# Allegro board 038RT-9068CJK8E-A100_0921.brd (continued)
## Footprints (pads in the part's own frame, mm; a bottom-side part is the same pattern mirrored in y, then rotated) (continued)
PG_3680_EMPTY_SLOT16
  round 0.864 hole 0.356: A1(-36.049,-143.609) A2(-36.049,-141.609) A3(-36.049,-139.609) A4(-36.049,-137.609) A5(-36.049,-135.609) A6(-36.049,-133.609) A7(-36.049,-131.609) A8(-36.049,-129.609) A9(-36.049,-127.609) A10(-36.049,-125.609) A11(-36.049,-123.609) A12(-36.049,-121.609) A13(-36.049,-119.609) A14(-36.049,-117.609) A15(-36.049,-115.609) A16(-36.049,-113.609) A17(-36.049,-111.609) A18(-36.049,-109.609) A19(-36.049,-107.609) A20(-36.049,-105.609) A21(-36.049,-103.609) A22(-36.049,-101.609) A23(-36.049,-99.609) A24(-36.049,-97.609) A25(-36.049,-95.609) A26(-36.049,-93.609) A27(-36.049,-91.609) B1(-38.049,-143.609) B2(-38.049,-141.609) B3(-38.049,-139.609) B4(-38.049,-137.609) B5(-38.049,-135.609) B6(-38.049,-133.609) B7(-38.049,-131.609) B8(-38.049,-129.609) B9(-38.049,-127.609) B10(-38.049,-125.609) B11(-38.049,-123.609) B12(-38.049,-121.609) B13(-38.049,-119.609) B14(-38.049,-117.609) B15(-38.049,-115.609) B16(-38.049,-113.609) B17(-38.049,-111.609) B18(-38.049,-109.609) B19(-38.049,-107.609) B20(-38.049,-105.609) B21(-38.049,-103.609) B22(-38.049,-101.609) B23(-38.049,-99.609) B24(-38.049,-97.609) B25(-38.049,-95.609) B26(-38.049,-93.609) B27(-38.049,-91.609) C1(-40.049,-143.609) C2(-40.049,-141.609) C3(-40.049,-139.609) C4(-40.049,-137.609) C5(-40.049,-135.609) C6(-40.049,-133.609) C7(-40.049,-131.609) C8(-40.049,-129.609) C9(-40.049,-127.609) C10(-40.049,-125.609) C11(-40.049,-123.609) C12(-40.049,-121.609) C13(-40.049,-119.609) C14(-40.049,-117.609) C15(-40.049,-115.609) C16(-40.049,-113.609) C17(-40.049,-111.609) C18(-40.049,-109.609) C19(-40.049,-107.609) C20(-40.049,-105.609) C21(-40.049,-103.609) C22(-40.049,-101.609) C23(-40.049,-99.609) C24(-40.049,-97.609) C25(-40.049,-95.609) C26(-40.049,-93.609) C27(-40.049,-91.609) D1(-42.049,-143.609) D2(-42.049,-141.609) D3(-42.049,-139.609) D4(-42.049,-137.609) D5(-42.049,-135.609) D6(-42.049,-133.609) D7(-42.049,-131.609) D8(-42.049,-129.609) D9(-42.049,-127.609) D10(-42.049,-125.609) D11(-42.049,-123.609) D12(-42.049,-121.609) D13(-42.049,-119.609) D14(-42.049,-117.609) D15(-42.049,-115.609) D16(-42.049,-113.609) D17(-42.049,-111.609) D18(-42.049,-109.609) D19(-42.049,-107.609) D20(-42.049,-105.609) D21(-42.049,-103.609) D22(-42.049,-101.609) D23(-42.049,-99.609) D24(-42.049,-97.609) D25(-42.049,-95.609) D26(-42.049,-93.609) D27(-42.049,-91.609) E1(-44.812,-142.384) E2(-44.812,-140.384) E3(-44.812,-138.384) E4(-44.812,-136.384) E5(-44.812,-134.384) E6(-44.812,-132.384) E7(-44.812,-130.384) E8(-44.812,-128.384) E9(-44.812,-126.384) E10(-44.812,-124.384) E11(-44.812,-122.384) E12(-44.812,-120.384) E13(-44.812,-118.384) E14(-44.812,-116.384) E15(-44.812,-114.384) E16(-44.812,-112.384) E17(-44.812,-110.384) E18(-44.812,-108.384) E19(-44.812,-106.384) E20(-44.812,-104.384) E21(-44.812,-102.384) E22(-44.812,-100.384) E23(-44.812,-98.384) E24(-44.812,-96.384) E25(-44.812,-94.384) E26(-44.812,-92.384) F1(-46.542,-143.384) F2(-46.542,-141.384) F3(-46.542,-139.384) F4(-46.542,-137.384) F5(-46.542,-135.384) F6(-46.542,-133.384) F7(-46.542,-131.384) F8(-46.542,-129.384) F9(-46.542,-127.384) F10(-46.542,-125.384) F11(-46.542,-123.384) F12(-46.542,-121.384) F13(-46.542,-119.384) F14(-46.542,-117.384) F15(-46.542,-115.384) F16(-46.542,-113.384) F17(-46.542,-111.384) F18(-46.542,-109.384) F19(-46.542,-107.384) F20(-46.542,-105.384) F21(-46.542,-103.384) F22(-46.542,-101.384) F23(-46.542,-99.384) F24(-46.542,-97.384) F25(-46.542,-95.384) F26(-46.542,-93.384) F27(-46.542,-91.384)
PG_3680_EMPTY_SLOT17
  round 0.864 hole 0.356: A1(-15.729,-143.609) A2(-15.729,-141.609) A3(-15.729,-139.609) A4(-15.729,-137.609) A5(-15.729,-135.609) A6(-15.729,-133.609) A7(-15.729,-131.609) A8(-15.729,-129.609) A9(-15.729,-127.609) A10(-15.729,-125.609) A11(-15.729,-123.609) A12(-15.729,-121.609) A13(-15.729,-119.609) A14(-15.729,-117.609) A15(-15.729,-115.609) A16(-15.729,-113.609) A17(-15.729,-111.609) A18(-15.729,-109.609) A19(-15.729,-107.609) A20(-15.729,-105.609) A21(-15.729,-103.609) A22(-15.729,-101.609) A23(-15.729,-99.609) A24(-15.729,-97.609) A25(-15.729,-95.609) A26(-15.729,-93.609) A27(-15.729,-91.609) B1(-17.729,-143.609) B2(-17.729,-141.609) B3(-17.729,-139.609) B4(-17.729,-137.609) B5(-17.729,-135.609) B6(-17.729,-133.609) B7(-17.729,-131.609) B8(-17.729,-129.609) B9(-17.729,-127.609) B10(-17.729,-125.609) B11(-17.729,-123.609) B12(-17.729,-121.609) B13(-17.729,-119.609) B14(-17.729,-117.609) B15(-17.729,-115.609) B16(-17.729,-113.609) B17(-17.729,-111.609) B18(-17.729,-109.609) B19(-17.729,-107.609) B20(-17.729,-105.609) B21(-17.729,-103.609) B22(-17.729,-101.609) B23(-17.729,-99.609) B24(-17.729,-97.609) B25(-17.729,-95.609) B26(-17.729,-93.609) B27(-17.729,-91.609) C1(-19.729,-143.609) C2(-19.729,-141.609) C3(-19.729,-139.609) C4(-19.729,-137.609) C5(-19.729,-135.609) C6(-19.729,-133.609) C7(-19.729,-131.609) C8(-19.729,-129.609) C9(-19.729,-127.609) C10(-19.729,-125.609) C11(-19.729,-123.609) C12(-19.729,-121.609) C13(-19.729,-119.609) C14(-19.729,-117.609) C15(-19.729,-115.609) C16(-19.729,-113.609) C17(-19.729,-111.609) C18(-19.729,-109.609) C19(-19.729,-107.609) C20(-19.729,-105.609) C21(-19.729,-103.609) C22(-19.729,-101.609) C23(-19.729,-99.609) C24(-19.729,-97.609) C25(-19.729,-95.609) C26(-19.729,-93.609) C27(-19.729,-91.609) D1(-21.729,-143.609) D2(-21.729,-141.609) D3(-21.729,-139.609) D4(-21.729,-137.609) D5(-21.729,-135.609) D6(-21.729,-133.609) D7(-21.729,-131.609) D8(-21.729,-129.609) D9(-21.729,-127.609) D10(-21.729,-125.609) D11(-21.729,-123.609) D12(-21.729,-121.609) D13(-21.729,-119.609) D14(-21.729,-117.609) D15(-21.729,-115.609) D16(-21.729,-113.609) D17(-21.729,-111.609) D18(-21.729,-109.609) D19(-21.729,-107.609) D20(-21.729,-105.609) D21(-21.729,-103.609) D22(-21.729,-101.609) D23(-21.729,-99.609) D24(-21.729,-97.609) D25(-21.729,-95.609) D26(-21.729,-93.609) D27(-21.729,-91.609) E1(-24.492,-142.384) E2(-24.492,-140.384) E3(-24.492,-138.384) E4(-24.492,-136.384) E5(-24.492,-134.384) E6(-24.492,-132.384) E7(-24.492,-130.384) E8(-24.492,-128.384) E9(-24.492,-126.384) E10(-24.492,-124.384) E11(-24.492,-122.384) E12(-24.492,-120.384) E13(-24.492,-118.384) E14(-24.492,-116.384) E15(-24.492,-114.384) E16(-24.492,-112.384) E17(-24.492,-110.384) E18(-24.492,-108.384) E19(-24.492,-106.384) E20(-24.492,-104.384) E21(-24.492,-102.384) E22(-24.492,-100.384) E23(-24.492,-98.384) E24(-24.492,-96.384) E25(-24.492,-94.384) E26(-24.492,-92.384) F1(-26.222,-143.384) F2(-26.222,-141.384) F3(-26.222,-139.384) F4(-26.222,-137.384) F5(-26.222,-135.384) F6(-26.222,-133.384) F7(-26.222,-131.384) F8(-26.222,-129.384) F9(-26.222,-127.384) F10(-26.222,-125.384) F11(-26.222,-123.384) F12(-26.222,-121.384) F13(-26.222,-119.384) F14(-26.222,-117.384) F15(-26.222,-115.384) F16(-26.222,-113.384) F17(-26.222,-111.384) F18(-26.222,-109.384) F19(-26.222,-107.384) F20(-26.222,-105.384) F21(-26.222,-103.384) F22(-26.222,-101.384) F23(-26.222,-99.384) F24(-26.222,-97.384) F25(-26.222,-95.384) F26(-26.222,-93.384) F27(-26.222,-91.384)
PG_3680_EMPTY_SLOT19
  round 0.864 hole 0.356: A1(24.911,-143.609) A2(24.911,-141.609) A3(24.911,-139.609) A4(24.911,-137.609) A5(24.911,-135.609) A6(24.911,-133.609) A7(24.911,-131.609) A8(24.911,-129.609) A9(24.911,-127.609) A10(24.911,-125.609) A11(24.911,-123.609) A12(24.911,-121.609) A13(24.911,-119.609) A14(24.911,-117.609) A15(24.911,-115.609) A16(24.911,-113.609) A17(24.911,-111.609) A18(24.911,-109.609) A19(24.911,-107.609) A20(24.911,-105.609) A21(24.911,-103.609) A22(24.911,-101.609) A23(24.911,-99.609) A24(24.911,-97.609) A25(24.911,-95.609) A26(24.911,-93.609) A27(24.911,-91.609) B1(22.911,-143.609) B2(22.911,-141.609) B3(22.911,-139.609) B4(22.911,-137.609) B5(22.911,-135.609) B6(22.911,-133.609) B7(22.911,-131.609) B8(22.911,-129.609) B9(22.911,-127.609) B10(22.911,-125.609) B11(22.911,-123.609) B12(22.911,-121.609) B13(22.911,-119.609) B14(22.911,-117.609) B15(22.911,-115.609) B16(22.911,-113.609) B17(22.911,-111.609) B18(22.911,-109.609) B19(22.911,-107.609) B20(22.911,-105.609) B21(22.911,-103.609) B22(22.911,-101.609) B23(22.911,-99.609) B24(22.911,-97.609) B25(22.911,-95.609) B26(22.911,-93.609) B27(22.911,-91.609) C1(20.911,-143.609) C2(20.911,-141.609) C3(20.911,-139.609) C4(20.911,-137.609) C5(20.911,-135.609) C6(20.911,-133.609) C7(20.911,-131.609) C8(20.911,-129.609) C9(20.911,-127.609) C10(20.911,-125.609) C11(20.911,-123.609) C12(20.911,-121.609) C13(20.911,-119.609) C14(20.911,-117.609) C15(20.911,-115.609) C16(20.911,-113.609) C17(20.911,-111.609) C18(20.911,-109.609) C19(20.911,-107.609) C20(20.911,-105.609) C21(20.911,-103.609) C22(20.911,-101.609) C23(20.911,-99.609) C24(20.911,-97.609) C25(20.911,-95.609) C26(20.911,-93.609) C27(20.911,-91.609) D1(18.911,-143.609) D2(18.911,-141.609) D3(18.911,-139.609) D4(18.911,-137.609) D5(18.911,-135.609) D6(18.911,-133.609) D7(18.911,-131.609) D8(18.911,-129.609) D9(18.911,-127.609) D10(18.911,-125.609) D11(18.911,-123.609) D12(18.911,-121.609) D13(18.911,-119.609) D14(18.911,-117.609) D15(18.911,-115.609) D16(18.911,-113.609) D17(18.911,-111.609) D18(18.911,-109.609) D19(18.911,-107.609) D20(18.911,-105.609) D21(18.911,-103.609) D22(18.911,-101.609) D23(18.911,-99.609) D24(18.911,-97.609) D25(18.911,-95.609) D26(18.911,-93.609) D27(18.911,-91.609) E1(16.148,-142.384) E2(16.148,-140.384) E3(16.148,-138.384) E4(16.148,-136.384) E5(16.148,-134.384) E6(16.148,-132.384) E7(16.148,-130.384) E8(16.148,-128.384) E9(16.148,-126.384) E10(16.148,-124.384) E11(16.148,-122.384) E12(16.148,-120.384) E13(16.148,-118.384) E14(16.148,-116.384) E15(16.148,-114.384) E16(16.148,-112.384) E17(16.148,-110.384) E18(16.148,-108.384) E19(16.148,-106.384) E20(16.148,-104.384) E21(16.148,-102.384) E22(16.148,-100.384) E23(16.148,-98.384) E24(16.148,-96.384) E25(16.148,-94.384) E26(16.148,-92.384) F1(14.418,-143.384) F2(14.418,-141.384) F3(14.418,-139.384) F4(14.418,-137.384) F5(14.418,-135.384) F6(14.418,-133.384) F7(14.418,-131.384) F8(14.418,-129.384) F9(14.418,-127.384) F10(14.418,-125.384) F11(14.418,-123.384) F12(14.418,-121.384) F13(14.418,-119.384) F14(14.418,-117.384) F15(14.418,-115.384) F16(14.418,-113.384) F17(14.418,-111.384) F18(14.418,-109.384) F19(14.418,-107.384) F20(14.418,-105.384) F21(14.418,-103.384) F22(14.418,-101.384) F23(14.418,-99.384) F24(14.418,-97.384) F25(14.418,-95.384) F26(14.418,-93.384) F27(14.418,-91.384)
PG_3680_EMPTY_SLOT20
  round 0.864 hole 0.356: A1(45.231,-143.609) A2(45.231,-141.609) A3(45.231,-139.609) A4(45.231,-137.609) A5(45.231,-135.609) A6(45.231,-133.609) A7(45.231,-131.609) A8(45.231,-129.609) A9(45.231,-127.609) A10(45.231,-125.609) A11(45.231,-123.609) A12(45.231,-121.609) A13(45.231,-119.609) A14(45.231,-117.609) A15(45.231,-115.609) A16(45.231,-113.609) A17(45.231,-111.609) A18(45.231,-109.609) A19(45.231,-107.609) A20(45.231,-105.609) A21(45.231,-103.609) A22(45.231,-101.609) A23(45.231,-99.609) A24(45.231,-97.609) A25(45.231,-95.609) A26(45.231,-93.609) A27(45.231,-91.609) B1(43.231,-143.609) B2(43.231,-141.609) B3(43.231,-139.609) B4(43.231,-137.609) B5(43.231,-135.609) B6(43.231,-133.609) B7(43.231,-131.609) B8(43.231,-129.609) B9(43.231,-127.609) B10(43.231,-125.609) B11(43.231,-123.609) B12(43.231,-121.609) B13(43.231,-119.609) B14(43.231,-117.609) B15(43.231,-115.609) B16(43.231,-113.609) B17(43.231,-111.609) B18(43.231,-109.609) B19(43.231,-107.609) B20(43.231,-105.609) B21(43.231,-103.609) B22(43.231,-101.609) B23(43.231,-99.609) B24(43.231,-97.609) B25(43.231,-95.609) B26(43.231,-93.609) B27(43.231,-91.609) C1(41.231,-143.609) C2(41.231,-141.609) C3(41.231,-139.609) C4(41.231,-137.609) C5(41.231,-135.609) C6(41.231,-133.609) C7(41.231,-131.609) C8(41.231,-129.609) C9(41.231,-127.609) C10(41.231,-125.609) C11(41.231,-123.609) C12(41.231,-121.609) C13(41.231,-119.609) C14(41.231,-117.609) C15(41.231,-115.609) C16(41.231,-113.609) C17(41.231,-111.609) C18(41.231,-109.609) C19(41.231,-107.609) C20(41.231,-105.609) C21(41.231,-103.609) C22(41.231,-101.609) C23(41.231,-99.609) C24(41.231,-97.609) C25(41.231,-95.609) C26(41.231,-93.609) C27(41.231,-91.609) D1(39.231,-143.609) D2(39.231,-141.609) D3(39.231,-139.609) D4(39.231,-137.609) D5(39.231,-135.609) D6(39.231,-133.609) D7(39.231,-131.609) D8(39.231,-129.609) D9(39.231,-127.609) D10(39.231,-125.609) D11(39.231,-123.609) D12(39.231,-121.609) D13(39.231,-119.609) D14(39.231,-117.609) D15(39.231,-115.609) D16(39.231,-113.609) D17(39.231,-111.609) D18(39.231,-109.609) D19(39.231,-107.609) D20(39.231,-105.609) D21(39.231,-103.609) D22(39.231,-101.609) D23(39.231,-99.609) D24(39.231,-97.609) D25(39.231,-95.609) D26(39.231,-93.609) D27(39.231,-91.609) E1(36.468,-142.384) E2(36.468,-140.384) E3(36.468,-138.384) E4(36.468,-136.384) E5(36.468,-134.384) E6(36.468,-132.384) E7(36.468,-130.384) E8(36.468,-128.384) E9(36.468,-126.384) E10(36.468,-124.384) E11(36.468,-122.384) E12(36.468,-120.384) E13(36.468,-118.384) E14(36.468,-116.384) E15(36.468,-114.384) E16(36.468,-112.384) E17(36.468,-110.384) E18(36.468,-108.384) E19(36.468,-106.384) E20(36.468,-104.384) E21(36.468,-102.384) E22(36.468,-100.384) E23(36.468,-98.384) E24(36.468,-96.384) E25(36.468,-94.384) E26(36.468,-92.384) F1(34.738,-143.384) F2(34.738,-141.384) F3(34.738,-139.384) F4(34.738,-137.384) F5(34.738,-135.384) F6(34.738,-133.384) F7(34.738,-131.384) F8(34.738,-129.384) F9(34.738,-127.384) F10(34.738,-125.384) F11(34.738,-123.384) F12(34.738,-121.384) F13(34.738,-119.384) F14(34.738,-117.384) F15(34.738,-115.384) F16(34.738,-113.384) F17(34.738,-111.384) F18(34.738,-109.384) F19(34.738,-107.384) F20(34.738,-105.384) F21(34.738,-103.384) F22(34.738,-101.384) F23(34.738,-99.384) F24(34.738,-97.384) F25(34.738,-95.384) F26(34.738,-93.384) F27(34.738,-91.384)
PG_3680_LPC128_A_SLOT0
  round 0.864 hole 0.356: A1(-62.511,-143.609) A3(-62.511,-139.609) A5(-62.511,-135.609) A7(-62.511,-131.609) A9(-62.511,-127.609) A11(-62.511,-123.609) A13(-62.511,-119.609) A15(-62.511,-115.609) A17(-62.511,-111.609) A19(-62.511,-107.609) A21(-62.511,-103.609) A23(-62.511,-99.609) A25(-62.511,-95.609) A27(-62.511,-91.609) B2(-64.511,-141.609) B4(-64.511,-137.609) B6(-64.511,-133.609) B8(-64.511,-129.609) B10(-64.511,-125.609) B12(-64.511,-121.609) B14(-64.511,-117.609) B16(-64.511,-113.609) B18(-64.511,-109.609) B20(-64.511,-105.609) B22(-64.511,-101.609) B24(-64.511,-97.609) B26(-64.511,-93.609) C1(-66.511,-143.609) C3(-66.511,-139.609) C5(-66.511,-135.609) C7(-66.511,-131.609) C9(-66.511,-127.609) C11(-66.511,-123.609) C13(-66.511,-119.609) C15(-66.511,-115.609) C17(-66.511,-111.609) C19(-66.511,-107.609) C21(-66.511,-103.609) C23(-66.511,-99.609) C25(-66.511,-95.609) C27(-66.511,-91.609) D1(-68.511,-143.609) D2(-68.511,-141.609) D3(-68.511,-139.609) D4(-68.511,-137.609) D6(-68.511,-133.609) D8(-68.511,-129.609) D10(-68.511,-125.609) D12(-68.511,-121.609) D14(-68.511,-117.609) D16(-68.511,-113.609) D18(-68.511,-109.609) D20(-68.511,-105.609) D22(-68.511,-101.609) D24(-68.511,-97.609) D26(-68.511,-93.609) D27(-68.511,-91.609) E3(-71.274,-138.384) E5(-71.274,-134.384) E7(-71.274,-130.384) E9(-71.274,-126.384) E11(-71.274,-122.384) E13(-71.274,-118.384) E15(-71.274,-114.384) E17(-71.274,-110.384) E19(-71.274,-106.384) E21(-71.274,-102.384) E23(-71.274,-98.384) E25(-71.274,-94.384) F2(-73.004,-141.384) F4(-73.004,-137.384) F6(-73.004,-133.384) F8(-73.004,-129.384) F10(-73.004,-125.384) F12(-73.004,-121.384) F14(-73.004,-117.384) F16(-73.004,-113.384) F18(-73.004,-109.384) F20(-73.004,-105.384) F22(-73.004,-101.384) F24(-73.004,-97.384) F26(-73.004,-93.384) F27(-73.004,-91.384)
  custom 0.305x0.305 hole 0.356 rot 135: A2(-62.511,-141.609) A4(-62.511,-137.609) A6(-62.511,-133.609) A8(-62.511,-129.609) A10(-62.511,-125.609) A12(-62.511,-121.609) A14(-62.511,-117.609) A16(-62.511,-113.609) A18(-62.511,-109.609) A20(-62.511,-105.609) A22(-62.511,-101.609) A24(-62.511,-97.609) A26(-62.511,-93.609) B1(-64.511,-143.609) B3(-64.511,-139.609) B5(-64.511,-135.609) B7(-64.511,-131.609) B9(-64.511,-127.609) B11(-64.511,-123.609) B13(-64.511,-119.609) B15(-64.511,-115.609) B17(-64.511,-111.609) B19(-64.511,-107.609) B21(-64.511,-103.609) B23(-64.511,-99.609) B25(-64.511,-95.609) B27(-64.511,-91.609) C2(-66.511,-141.609) C4(-66.511,-137.609) C6(-66.511,-133.609) C8(-66.511,-129.609) C10(-66.511,-125.609) C12(-66.511,-121.609) C14(-66.511,-117.609) C16(-66.511,-113.609) C18(-66.511,-109.609) C20(-66.511,-105.609) C22(-66.511,-101.609) C24(-66.511,-97.609) C26(-66.511,-93.609) D5(-68.511,-135.609) D7(-68.511,-131.609) D9(-68.511,-127.609) D11(-68.511,-123.609) D13(-68.511,-119.609) D15(-68.511,-115.609) D17(-68.511,-111.609) D19(-68.511,-107.609) D21(-68.511,-103.609) D23(-68.511,-99.609) D25(-68.511,-95.609)
  custom 0.305x0.305 hole 0.356 rot 45: E1(-71.274,-142.384) E2(-71.274,-140.384) E4(-71.274,-136.384) E6(-71.274,-132.384) E8(-71.274,-128.384) E10(-71.274,-124.384) E12(-71.274,-120.384) E14(-71.274,-116.384) E16(-71.274,-112.384) E18(-71.274,-108.384) E20(-71.274,-104.384) E22(-71.274,-100.384) E24(-71.274,-96.384) E26(-71.274,-92.384) F1(-73.004,-143.384) F3(-73.004,-139.384) F5(-73.004,-135.384) F7(-73.004,-131.384) F9(-73.004,-127.384) F11(-73.004,-123.384) F13(-73.004,-119.384) F15(-73.004,-115.384) F17(-73.004,-111.384) F19(-73.004,-107.384) F21(-73.004,-103.384) F23(-73.004,-99.384) F25(-73.004,-95.384)
PG_3680_LPC128_A_SLOT1
  round 0.864 hole 0.356: A1(76.886,-143.609) A3(76.886,-139.609) A5(76.886,-135.609) A7(76.886,-131.609) A9(76.886,-127.609) A11(76.886,-123.609) A13(76.886,-119.609) A15(76.886,-115.609) A17(76.886,-111.609) A19(76.886,-107.609) A21(76.886,-103.609) A23(76.886,-99.609) A25(76.886,-95.609) A27(76.886,-91.609) B2(74.886,-141.609) B4(74.886,-137.609) B6(74.886,-133.609) B8(74.886,-129.609) B10(74.886,-125.609) B12(74.886,-121.609) B14(74.886,-117.609) B16(74.886,-113.609) B18(74.886,-109.609) B20(74.886,-105.609) B22(74.886,-101.609) B24(74.886,-97.609) B26(74.886,-93.609) C1(72.886,-143.609) C3(72.886,-139.609) C5(72.886,-135.609) C7(72.886,-131.609) C9(72.886,-127.609) C11(72.886,-123.609) C13(72.886,-119.609) C15(72.886,-115.609) C17(72.886,-111.609) C19(72.886,-107.609) C21(72.886,-103.609) C23(72.886,-99.609) C25(72.886,-95.609) C27(72.886,-91.609) D1(70.886,-143.609) D2(70.886,-141.609) D3(70.886,-139.609) D4(70.886,-137.609) D6(70.886,-133.609) D8(70.886,-129.609) D10(70.886,-125.609) D12(70.886,-121.609) D14(70.886,-117.609) D16(70.886,-113.609) D18(70.886,-109.609) D20(70.886,-105.609) D22(70.886,-101.609) D24(70.886,-97.609) D26(70.886,-93.609) D27(70.886,-91.609) E3(68.123,-138.384) E5(68.123,-134.384) E7(68.123,-130.384) E9(68.123,-126.384) E11(68.123,-122.384) E13(68.123,-118.384) E15(68.123,-114.384) E17(68.123,-110.384) E19(68.123,-106.384) E21(68.123,-102.384) E23(68.123,-98.384) E25(68.123,-94.384) F2(66.393,-141.384) F4(66.393,-137.384) F6(66.393,-133.384) F8(66.393,-129.384) F10(66.393,-125.384) F12(66.393,-121.384) F14(66.393,-117.384) F16(66.393,-113.384) F18(66.393,-109.384) F20(66.393,-105.384) F22(66.393,-101.384) F24(66.393,-97.384) F26(66.393,-93.384) F27(66.393,-91.384)
  custom 0.305x0.305 hole 0.356 rot 135: A2(76.886,-141.609) A4(76.886,-137.609) A6(76.886,-133.609) A8(76.886,-129.609) A10(76.886,-125.609) A12(76.886,-121.609) A14(76.886,-117.609) A16(76.886,-113.609) A18(76.886,-109.609) A20(76.886,-105.609) A22(76.886,-101.609) A24(76.886,-97.609) A26(76.886,-93.609) B1(74.886,-143.609) B3(74.886,-139.609) B5(74.886,-135.609) B7(74.886,-131.609) B9(74.886,-127.609) B11(74.886,-123.609) B13(74.886,-119.609) B15(74.886,-115.609) B17(74.886,-111.609) B19(74.886,-107.609) B21(74.886,-103.609) B23(74.886,-99.609) B25(74.886,-95.609) B27(74.886,-91.609) C2(72.886,-141.609) C4(72.886,-137.609) C6(72.886,-133.609) C8(72.886,-129.609) C10(72.886,-125.609) C12(72.886,-121.609) C14(72.886,-117.609) C16(72.886,-113.609) C18(72.886,-109.609) C20(72.886,-105.609) C22(72.886,-101.609) C24(72.886,-97.609) C26(72.886,-93.609) D5(70.886,-135.609) D7(70.886,-131.609) D9(70.886,-127.609) D11(70.886,-123.609) D13(70.886,-119.609) D15(70.886,-115.609) D17(70.886,-111.609) D19(70.886,-107.609) D21(70.886,-103.609) D23(70.886,-99.609) D25(70.886,-95.609)
  custom 0.305x0.305 hole 0.356 rot 45: E1(68.123,-142.384) E2(68.123,-140.384) E4(68.123,-136.384) E6(68.123,-132.384) E8(68.123,-128.384) E10(68.123,-124.384) E12(68.123,-120.384) E14(68.123,-116.384) E16(68.123,-112.384) E18(68.123,-108.384) E20(68.123,-104.384) E22(68.123,-100.384) E24(68.123,-96.384) E26(68.123,-92.384) F1(66.393,-143.384) F3(66.393,-139.384) F5(66.393,-135.384) F7(66.393,-131.384) F9(66.393,-127.384) F11(66.393,-123.384) F13(66.393,-119.384) F15(66.393,-115.384) F17(66.393,-111.384) F19(66.393,-107.384) F21(66.393,-103.384) F23(66.393,-99.384) F25(66.393,-95.384)
PG_3680_LPC128_A_SLOT2
  round 0.864 hole 0.356: A1(-87.53,-143.609) A3(-87.53,-139.609) A5(-87.53,-135.609) A7(-87.53,-131.609) A9(-87.53,-127.609) A11(-87.53,-123.609) A13(-87.53,-119.609) A15(-87.53,-115.609) A17(-87.53,-111.609) A19(-87.53,-107.609) A21(-87.53,-103.609) A23(-87.53,-99.609) A25(-87.53,-95.609) A27(-87.53,-91.609) B2(-89.53,-141.609) B4(-89.53,-137.609) B6(-89.53,-133.609) B8(-89.53,-129.609) B10(-89.53,-125.609) B12(-89.53,-121.609) B14(-89.53,-117.609) B16(-89.53,-113.609) B18(-89.53,-109.609) B20(-89.53,-105.609) B22(-89.53,-101.609) B24(-89.53,-97.609) B26(-89.53,-93.609) C1(-91.53,-143.609) C3(-91.53,-139.609) C5(-91.53,-135.609) C7(-91.53,-131.609) C9(-91.53,-127.609) C11(-91.53,-123.609) C13(-91.53,-119.609) C15(-91.53,-115.609) C17(-91.53,-111.609) C19(-91.53,-107.609) C21(-91.53,-103.609) C23(-91.53,-99.609) C25(-91.53,-95.609) C27(-91.53,-91.609) D1(-93.53,-143.609) D2(-93.53,-141.609) D3(-93.53,-139.609) D4(-93.53,-137.609) D6(-93.53,-133.609) D8(-93.53,-129.609) D10(-93.53,-125.609) D12(-93.53,-121.609) D14(-93.53,-117.609) D16(-93.53,-113.609) D18(-93.53,-109.609) D20(-93.53,-105.609) D22(-93.53,-101.609) D24(-93.53,-97.609) D26(-93.53,-93.609) D27(-93.53,-91.609) E3(-96.293,-138.384) E5(-96.293,-134.384) E7(-96.293,-130.384) E9(-96.293,-126.384) E11(-96.293,-122.384) E13(-96.293,-118.384) E15(-96.293,-114.384) E17(-96.293,-110.384) E19(-96.293,-106.384) E21(-96.293,-102.384) E23(-96.293,-98.384) E25(-96.293,-94.384) F2(-98.023,-141.384) F4(-98.023,-137.384) F6(-98.023,-133.384) F8(-98.023,-129.384) F10(-98.023,-125.384) F12(-98.023,-121.384) F14(-98.023,-117.384) F16(-98.023,-113.384) F18(-98.023,-109.384) F20(-98.023,-105.384) F22(-98.023,-101.384) F24(-98.023,-97.384) F26(-98.023,-93.384) F27(-98.023,-91.384)
  custom 0.305x0.305 hole 0.356 rot 135: A2(-87.53,-141.609) A4(-87.53,-137.609) A6(-87.53,-133.609) A8(-87.53,-129.609) A10(-87.53,-125.609) A12(-87.53,-121.609) A14(-87.53,-117.609) A16(-87.53,-113.609) A18(-87.53,-109.609) A20(-87.53,-105.609) A22(-87.53,-101.609) A24(-87.53,-97.609) A26(-87.53,-93.609) B1(-89.53,-143.609) B3(-89.53,-139.609) B5(-89.53,-135.609) B7(-89.53,-131.609) B9(-89.53,-127.609) B11(-89.53,-123.609) B13(-89.53,-119.609) B15(-89.53,-115.609) B17(-89.53,-111.609) B19(-89.53,-107.609) B21(-89.53,-103.609) B23(-89.53,-99.609) B25(-89.53,-95.609) B27(-89.53,-91.609) C2(-91.53,-141.609) C4(-91.53,-137.609) C6(-91.53,-133.609) C8(-91.53,-129.609) C10(-91.53,-125.609) C12(-91.53,-121.609) C14(-91.53,-117.609) C16(-91.53,-113.609) C18(-91.53,-109.609) C20(-91.53,-105.609) C22(-91.53,-101.609) C24(-91.53,-97.609) C26(-91.53,-93.609) D5(-93.53,-135.609) D7(-93.53,-131.609) D9(-93.53,-127.609) D11(-93.53,-123.609) D13(-93.53,-119.609) D15(-93.53,-115.609) D17(-93.53,-111.609) D19(-93.53,-107.609) D21(-93.53,-103.609) D23(-93.53,-99.609) D25(-93.53,-95.609)
  custom 0.305x0.305 hole 0.356 rot 45: E1(-96.293,-142.384) E2(-96.293,-140.384) E4(-96.293,-136.384) E6(-96.293,-132.384) E8(-96.293,-128.384) E10(-96.293,-124.384) E12(-96.293,-120.384) E14(-96.293,-116.384) E16(-96.293,-112.384) E18(-96.293,-108.384) E20(-96.293,-104.384) E22(-96.293,-100.384) E24(-96.293,-96.384) E26(-96.293,-92.384) F1(-98.023,-143.384) F3(-98.023,-139.384) F5(-98.023,-135.384) F7(-98.023,-131.384) F9(-98.023,-127.384) F11(-98.023,-123.384) F13(-98.023,-119.384) F15(-98.023,-115.384) F17(-98.023,-111.384) F19(-98.023,-107.384) F21(-98.023,-103.384) F23(-98.023,-99.384) F25(-98.023,-95.384)
PG_3680_LPC128_A_SLOT3
  round 0.864 hole 0.356: A1(101.905,-143.609) A3(101.905,-139.609) A5(101.905,-135.609) A7(101.905,-131.609) A9(101.905,-127.609) A11(101.905,-123.609) A13(101.905,-119.609) A15(101.905,-115.609) A17(101.905,-111.609) A19(101.905,-107.609) A21(101.905,-103.609) A23(101.905,-99.609) A25(101.905,-95.609) A27(101.905,-91.609) B2(99.905,-141.609) B4(99.905,-137.609) B6(99.905,-133.609) B8(99.905,-129.609) B10(99.905,-125.609) B12(99.905,-121.609) B14(99.905,-117.609) B16(99.905,-113.609) B18(99.905,-109.609) B20(99.905,-105.609) B22(99.905,-101.609) B24(99.905,-97.609) B26(99.905,-93.609) C1(97.905,-143.609) C3(97.905,-139.609) C5(97.905,-135.609) C7(97.905,-131.609) C9(97.905,-127.609) C11(97.905,-123.609) C13(97.905,-119.609) C15(97.905,-115.609) C17(97.905,-111.609) C19(97.905,-107.609) C21(97.905,-103.609) C23(97.905,-99.609) C25(97.905,-95.609) C27(97.905,-91.609) D1(95.905,-143.609) D2(95.905,-141.609) D3(95.905,-139.609) D4(95.905,-137.609) D6(95.905,-133.609) D8(95.905,-129.609) D10(95.905,-125.609) D12(95.905,-121.609) D14(95.905,-117.609) D16(95.905,-113.609) D18(95.905,-109.609) D20(95.905,-105.609) D22(95.905,-101.609) D24(95.905,-97.609) D26(95.905,-93.609) D27(95.905,-91.609) E3(93.142,-138.384) E5(93.142,-134.384) E7(93.142,-130.384) E9(93.142,-126.384) E11(93.142,-122.384) E13(93.142,-118.384) E15(93.142,-114.384) E17(93.142,-110.384) E19(93.142,-106.384) E21(93.142,-102.384) E23(93.142,-98.384) E25(93.142,-94.384) F2(91.412,-141.384) F4(91.412,-137.384) F6(91.412,-133.384) F8(91.412,-129.384) F10(91.412,-125.384) F12(91.412,-121.384) F14(91.412,-117.384) F16(91.412,-113.384) F18(91.412,-109.384) F20(91.412,-105.384) F22(91.412,-101.384) F24(91.412,-97.384) F26(91.412,-93.384) F27(91.412,-91.384)
  custom 0.305x0.305 hole 0.356 rot 135: A2(101.905,-141.609) A4(101.905,-137.609) A6(101.905,-133.609) A8(101.905,-129.609) A10(101.905,-125.609) A12(101.905,-121.609) A14(101.905,-117.609) A16(101.905,-113.609) A18(101.905,-109.609) A20(101.905,-105.609) A22(101.905,-101.609) A24(101.905,-97.609) A26(101.905,-93.609) B1(99.905,-143.609) B3(99.905,-139.609) B5(99.905,-135.609) B7(99.905,-131.609) B9(99.905,-127.609) B11(99.905,-123.609) B13(99.905,-119.609) B15(99.905,-115.609) B17(99.905,-111.609) B19(99.905,-107.609) B21(99.905,-103.609) B23(99.905,-99.609) B25(99.905,-95.609) B27(99.905,-91.609) C2(97.905,-141.609) C4(97.905,-137.609) C6(97.905,-133.609) C8(97.905,-129.609) C10(97.905,-125.609) C12(97.905,-121.609) C14(97.905,-117.609) C16(97.905,-113.609) C18(97.905,-109.609) C20(97.905,-105.609) C22(97.905,-101.609) C24(97.905,-97.609) C26(97.905,-93.609) D5(95.905,-135.609) D7(95.905,-131.609) D9(95.905,-127.609) D11(95.905,-123.609) D13(95.905,-119.609) D15(95.905,-115.609) D17(95.905,-111.609) D19(95.905,-107.609) D21(95.905,-103.609) D23(95.905,-99.609) D25(95.905,-95.609)
  custom 0.305x0.305 hole 0.356 rot 45: E1(93.142,-142.384) E2(93.142,-140.384) E4(93.142,-136.384) E6(93.142,-132.384) E8(93.142,-128.384) E10(93.142,-124.384) E12(93.142,-120.384) E14(93.142,-116.384) E16(93.142,-112.384) E18(93.142,-108.384) E20(93.142,-104.384) E22(93.142,-100.384) E24(93.142,-96.384) E26(93.142,-92.384) F1(91.412,-143.384) F3(91.412,-139.384) F5(91.412,-135.384) F7(91.412,-131.384) F9(91.412,-127.384) F11(91.412,-123.384) F13(91.412,-119.384) F15(91.412,-115.384) F17(91.412,-111.384) F19(91.412,-107.384) F21(91.412,-103.384) F23(91.412,-99.384) F25(91.412,-95.384)
PG_3680_LPC128_A_SLOT4
  round 0.864 hole 0.356: A1(-112.55,-143.609) A3(-112.55,-139.609) A5(-112.55,-135.609) A7(-112.55,-131.609) A9(-112.55,-127.609) A11(-112.55,-123.609) A13(-112.55,-119.609) A15(-112.55,-115.609) A17(-112.55,-111.609) A19(-112.55,-107.609) A21(-112.55,-103.609) A23(-112.55,-99.609) A25(-112.55,-95.609) A27(-112.55,-91.609) B2(-114.55,-141.609) B4(-114.55,-137.609) B6(-114.55,-133.609) B8(-114.55,-129.609) B10(-114.55,-125.609) B12(-114.55,-121.609) B14(-114.55,-117.609) B16(-114.55,-113.609) B18(-114.55,-109.609) B20(-114.55,-105.609) B22(-114.55,-101.609) B24(-114.55,-97.609) B26(-114.55,-93.609) C1(-116.55,-143.609) C3(-116.55,-139.609) C5(-116.55,-135.609) C7(-116.55,-131.609) C9(-116.55,-127.609) C11(-116.55,-123.609) C13(-116.55,-119.609) C15(-116.55,-115.609) C17(-116.55,-111.609) C19(-116.55,-107.609) C21(-116.55,-103.609) C23(-116.55,-99.609) C25(-116.55,-95.609) C27(-116.55,-91.609) D1(-118.55,-143.609) D2(-118.55,-141.609) D3(-118.55,-139.609) D4(-118.55,-137.609) D6(-118.55,-133.609) D8(-118.55,-129.609) D10(-118.55,-125.609) D12(-118.55,-121.609) D14(-118.55,-117.609) D16(-118.55,-113.609) D18(-118.55,-109.609) D20(-118.55,-105.609) D22(-118.55,-101.609) D24(-118.55,-97.609) D26(-118.55,-93.609) D27(-118.55,-91.609) E3(-121.313,-138.384) E5(-121.313,-134.384) E7(-121.313,-130.384) E9(-121.313,-126.384) E11(-121.313,-122.384) E13(-121.313,-118.384) E15(-121.313,-114.384) E17(-121.313,-110.384) E19(-121.313,-106.384) E21(-121.313,-102.384) E23(-121.313,-98.384) E25(-121.313,-94.384) F2(-123.043,-141.384) F4(-123.043,-137.384) F6(-123.043,-133.384) F8(-123.043,-129.384) F10(-123.043,-125.384) F12(-123.043,-121.384) F14(-123.043,-117.384) F16(-123.043,-113.384) F18(-123.043,-109.384) F20(-123.043,-105.384) F22(-123.043,-101.384) F24(-123.043,-97.384) F26(-123.043,-93.384) F27(-123.043,-91.384)
  custom 0.305x0.305 hole 0.356 rot 135: A2(-112.55,-141.609) A4(-112.55,-137.609) A6(-112.55,-133.609) A8(-112.55,-129.609) A10(-112.55,-125.609) A12(-112.55,-121.609) A14(-112.55,-117.609) A16(-112.55,-113.609) A18(-112.55,-109.609) A20(-112.55,-105.609) A22(-112.55,-101.609) A24(-112.55,-97.609) A26(-112.55,-93.609) B1(-114.55,-143.609) B3(-114.55,-139.609) B5(-114.55,-135.609) B7(-114.55,-131.609) B9(-114.55,-127.609) B11(-114.55,-123.609) B13(-114.55,-119.609) B15(-114.55,-115.609) B17(-114.55,-111.609) B19(-114.55,-107.609) B21(-114.55,-103.609) B23(-114.55,-99.609) B25(-114.55,-95.609) B27(-114.55,-91.609) C2(-116.55,-141.609) C4(-116.55,-137.609) C6(-116.55,-133.609) C8(-116.55,-129.609) C10(-116.55,-125.609) C12(-116.55,-121.609) C14(-116.55,-117.609) C16(-116.55,-113.609) C18(-116.55,-109.609) C20(-116.55,-105.609) C22(-116.55,-101.609) C24(-116.55,-97.609) C26(-116.55,-93.609) D5(-118.55,-135.609) D7(-118.55,-131.609) D9(-118.55,-127.609) D11(-118.55,-123.609) D13(-118.55,-119.609) D15(-118.55,-115.609) D17(-118.55,-111.609) D19(-118.55,-107.609) D21(-118.55,-103.609) D23(-118.55,-99.609) D25(-118.55,-95.609)
  custom 0.305x0.305 hole 0.356 rot 45: E1(-121.313,-142.384) E2(-121.313,-140.384) E4(-121.313,-136.384) E6(-121.313,-132.384) E8(-121.313,-128.384) E10(-121.313,-124.384) E12(-121.313,-120.384) E14(-121.313,-116.384) E16(-121.313,-112.384) E18(-121.313,-108.384) E20(-121.313,-104.384) E22(-121.313,-100.384) E24(-121.313,-96.384) E26(-121.313,-92.384) F1(-123.043,-143.384) F3(-123.043,-139.384) F5(-123.043,-135.384) F7(-123.043,-131.384) F9(-123.043,-127.384) F11(-123.043,-123.384) F13(-123.043,-119.384) F15(-123.043,-115.384) F17(-123.043,-111.384) F19(-123.043,-107.384) F21(-123.043,-103.384) F23(-123.043,-99.384) F25(-123.043,-95.384)
PG_3680_LPC128_A_SLOT5
  round 0.864 hole 0.356: A1(126.925,-143.609) A3(126.925,-139.609) A5(126.925,-135.609) A7(126.925,-131.609) A9(126.925,-127.609) A11(126.925,-123.609) A13(126.925,-119.609) A15(126.925,-115.609) A17(126.925,-111.609) A19(126.925,-107.609) A21(126.925,-103.609) A23(126.925,-99.609) A25(126.925,-95.609) A27(126.925,-91.609) B2(124.925,-141.609) B4(124.925,-137.609) B6(124.925,-133.609) B8(124.925,-129.609) B10(124.925,-125.609) B12(124.925,-121.609) B14(124.925,-117.609) B16(124.925,-113.609) B18(124.925,-109.609) B20(124.925,-105.609) B22(124.925,-101.609) B24(124.925,-97.609) B26(124.925,-93.609) C1(122.925,-143.609) C3(122.925,-139.609) C5(122.925,-135.609) C7(122.925,-131.609) C9(122.925,-127.609) C11(122.925,-123.609) C13(122.925,-119.609) C15(122.925,-115.609) C17(122.925,-111.609) C19(122.925,-107.609) C21(122.925,-103.609) C23(122.925,-99.609) C25(122.925,-95.609) C27(122.925,-91.609) D1(120.925,-143.609) D2(120.925,-141.609) D3(120.925,-139.609) D4(120.925,-137.609) D6(120.925,-133.609) D8(120.925,-129.609) D10(120.925,-125.609) D12(120.925,-121.609) D14(120.925,-117.609) D16(120.925,-113.609) D18(120.925,-109.609) D20(120.925,-105.609) D22(120.925,-101.609) D24(120.925,-97.609) D26(120.925,-93.609) D27(120.925,-91.609) E3(118.162,-138.384) E5(118.162,-134.384) E7(118.162,-130.384) E9(118.162,-126.384) E11(118.162,-122.384) E13(118.162,-118.384) E15(118.162,-114.384) E17(118.162,-110.384) E19(118.162,-106.384) E21(118.162,-102.384) E23(118.162,-98.384) E25(118.162,-94.384) F2(116.432,-141.384) F4(116.432,-137.384) F6(116.432,-133.384) F8(116.432,-129.384) F10(116.432,-125.384) F12(116.432,-121.384) F14(116.432,-117.384) F16(116.432,-113.384) F18(116.432,-109.384) F20(116.432,-105.384) F22(116.432,-101.384) F24(116.432,-97.384) F26(116.432,-93.384) F27(116.432,-91.384)
  custom 0.305x0.305 hole 0.356 rot 135: A2(126.925,-141.609) A4(126.925,-137.609) A6(126.925,-133.609) A8(126.925,-129.609) A10(126.925,-125.609) A12(126.925,-121.609) A14(126.925,-117.609) A16(126.925,-113.609) A18(126.925,-109.609) A20(126.925,-105.609) A22(126.925,-101.609) A24(126.925,-97.609) A26(126.925,-93.609) B1(124.925,-143.609) B3(124.925,-139.609) B5(124.925,-135.609) B7(124.925,-131.609) B9(124.925,-127.609) B11(124.925,-123.609) B13(124.925,-119.609) B15(124.925,-115.609) B17(124.925,-111.609) B19(124.925,-107.609) B21(124.925,-103.609) B23(124.925,-99.609) B25(124.925,-95.609) B27(124.925,-91.609) C2(122.925,-141.609) C4(122.925,-137.609) C6(122.925,-133.609) C8(122.925,-129.609) C10(122.925,-125.609) C12(122.925,-121.609) C14(122.925,-117.609) C16(122.925,-113.609) C18(122.925,-109.609) C20(122.925,-105.609) C22(122.925,-101.609) C24(122.925,-97.609) C26(122.925,-93.609) D5(120.925,-135.609) D7(120.925,-131.609) D9(120.925,-127.609) D11(120.925,-123.609) D13(120.925,-119.609) D15(120.925,-115.609) D17(120.925,-111.609) D19(120.925,-107.609) D21(120.925,-103.609) D23(120.925,-99.609) D25(120.925,-95.609)
  custom 0.305x0.305 hole 0.356 rot 45: E1(118.162,-142.384) E2(118.162,-140.384) E4(118.162,-136.384) E6(118.162,-132.384) E8(118.162,-128.384) E10(118.162,-124.384) E12(118.162,-120.384) E14(118.162,-116.384) E16(118.162,-112.384) E18(118.162,-108.384) E20(118.162,-104.384) E22(118.162,-100.384) E24(118.162,-96.384) E26(118.162,-92.384) F1(116.432,-143.384) F3(116.432,-139.384) F5(116.432,-135.384) F7(116.432,-131.384) F9(116.432,-127.384) F11(116.432,-123.384) F13(116.432,-119.384) F15(116.432,-115.384) F17(116.432,-111.384) F19(116.432,-107.384) F21(116.432,-103.384) F23(116.432,-99.384) F25(116.432,-95.384)
PG_3680_LPC128_A_SLOT6
  round 0.864 hole 0.356: A1(-137.57,-143.609) A3(-137.57,-139.609) A5(-137.57,-135.609) A7(-137.57,-131.609) A9(-137.57,-127.609) A11(-137.57,-123.609) A13(-137.57,-119.609) A15(-137.57,-115.609) A17(-137.57,-111.609) A19(-137.57,-107.609) A21(-137.57,-103.609) A23(-137.57,-99.609) A25(-137.57,-95.609) A27(-137.57,-91.609) B2(-139.57,-141.609) B4(-139.57,-137.609) B6(-139.57,-133.609) B8(-139.57,-129.609) B10(-139.57,-125.609) B12(-139.57,-121.609) B14(-139.57,-117.609) B16(-139.57,-113.609) B18(-139.57,-109.609) B20(-139.57,-105.609) B22(-139.57,-101.609) B24(-139.57,-97.609) B26(-139.57,-93.609) C1(-141.57,-143.609) C3(-141.57,-139.609) C5(-141.57,-135.609) C7(-141.57,-131.609) C9(-141.57,-127.609) C11(-141.57,-123.609) C13(-141.57,-119.609) C15(-141.57,-115.609) C17(-141.57,-111.609) C19(-141.57,-107.609) C21(-141.57,-103.609) C23(-141.57,-99.609) C25(-141.57,-95.609) C27(-141.57,-91.609) D1(-143.57,-143.609) D2(-143.57,-141.609) D3(-143.57,-139.609) D4(-143.57,-137.609) D6(-143.57,-133.609) D8(-143.57,-129.609) D10(-143.57,-125.609) D12(-143.57,-121.609) D14(-143.57,-117.609) D16(-143.57,-113.609) D18(-143.57,-109.609) D20(-143.57,-105.609) D22(-143.57,-101.609) D24(-143.57,-97.609) D26(-143.57,-93.609) D27(-143.57,-91.609) E3(-146.333,-138.384) E5(-146.333,-134.384) E7(-146.333,-130.384) E9(-146.333,-126.384) E11(-146.333,-122.384) E13(-146.333,-118.384) E15(-146.333,-114.384) E17(-146.333,-110.384) E19(-146.333,-106.384) E21(-146.333,-102.384) E23(-146.333,-98.384) E25(-146.333,-94.384) F2(-148.063,-141.384) F4(-148.063,-137.384) F6(-148.063,-133.384) F8(-148.063,-129.384) F10(-148.063,-125.384) F12(-148.063,-121.384) F14(-148.063,-117.384) F16(-148.063,-113.384) F18(-148.063,-109.384) F20(-148.063,-105.384) F22(-148.063,-101.384) F24(-148.063,-97.384) F26(-148.063,-93.384) F27(-148.063,-91.384)
  custom 0.305x0.305 hole 0.356 rot 135: A2(-137.57,-141.609) A4(-137.57,-137.609) A6(-137.57,-133.609) A8(-137.57,-129.609) A10(-137.57,-125.609) A12(-137.57,-121.609) A14(-137.57,-117.609) A16(-137.57,-113.609) A18(-137.57,-109.609) A20(-137.57,-105.609) A22(-137.57,-101.609) A24(-137.57,-97.609) A26(-137.57,-93.609) B1(-139.57,-143.609) B3(-139.57,-139.609) B5(-139.57,-135.609) B7(-139.57,-131.609) B9(-139.57,-127.609) B11(-139.57,-123.609) B13(-139.57,-119.609) B15(-139.57,-115.609) B17(-139.57,-111.609) B19(-139.57,-107.609) B21(-139.57,-103.609) B23(-139.57,-99.609) B25(-139.57,-95.609) B27(-139.57,-91.609) C2(-141.57,-141.609) C4(-141.57,-137.609) C6(-141.57,-133.609) C8(-141.57,-129.609) C10(-141.57,-125.609) C12(-141.57,-121.609) C14(-141.57,-117.609) C16(-141.57,-113.609) C18(-141.57,-109.609) C20(-141.57,-105.609) C22(-141.57,-101.609) C24(-141.57,-97.609) C26(-141.57,-93.609) D5(-143.57,-135.609) D7(-143.57,-131.609) D9(-143.57,-127.609) D11(-143.57,-123.609) D13(-143.57,-119.609) D15(-143.57,-115.609) D17(-143.57,-111.609) D19(-143.57,-107.609) D21(-143.57,-103.609) D23(-143.57,-99.609) D25(-143.57,-95.609)
  custom 0.305x0.305 hole 0.356 rot 45: E1(-146.333,-142.384) E2(-146.333,-140.384) E4(-146.333,-136.384) E6(-146.333,-132.384) E8(-146.333,-128.384) E10(-146.333,-124.384) E12(-146.333,-120.384) E14(-146.333,-116.384) E16(-146.333,-112.384) E18(-146.333,-108.384) E20(-146.333,-104.384) E22(-146.333,-100.384) E24(-146.333,-96.384) E26(-146.333,-92.384) F1(-148.063,-143.384) F3(-148.063,-139.384) F5(-148.063,-135.384) F7(-148.063,-131.384) F9(-148.063,-127.384) F11(-148.063,-123.384) F13(-148.063,-119.384) F15(-148.063,-115.384) F17(-148.063,-111.384) F19(-148.063,-107.384) F21(-148.063,-103.384) F23(-148.063,-99.384) F25(-148.063,-95.384)
PG_3680_LPC128_A_SLOT7
  round 0.864 hole 0.356: A1(151.945,-143.609) A3(151.945,-139.609) A5(151.945,-135.609) A7(151.945,-131.609) A9(151.945,-127.609) A11(151.945,-123.609) A13(151.945,-119.609) A15(151.945,-115.609) A17(151.945,-111.609) A19(151.945,-107.609) A21(151.945,-103.609) A23(151.945,-99.609) A25(151.945,-95.609) A27(151.945,-91.609) B2(149.945,-141.609) B4(149.945,-137.609) B6(149.945,-133.609) B8(149.945,-129.609) B10(149.945,-125.609) B12(149.945,-121.609) B14(149.945,-117.609) B16(149.945,-113.609) B18(149.945,-109.609) B20(149.945,-105.609) B22(149.945,-101.609) B24(149.945,-97.609) B26(149.945,-93.609) C1(147.945,-143.609) C3(147.945,-139.609) C5(147.945,-135.609) C7(147.945,-131.609) C9(147.945,-127.609) C11(147.945,-123.609) C13(147.945,-119.609) C15(147.945,-115.609) C17(147.945,-111.609) C19(147.945,-107.609) C21(147.945,-103.609) C23(147.945,-99.609) C25(147.945,-95.609) C27(147.945,-91.609) D1(145.945,-143.609) D2(145.945,-141.609) D3(145.945,-139.609) D4(145.945,-137.609) D6(145.945,-133.609) D8(145.945,-129.609) D10(145.945,-125.609) D12(145.945,-121.609) D14(145.945,-117.609) D16(145.945,-113.609) D18(145.945,-109.609) D20(145.945,-105.609) D22(145.945,-101.609) D24(145.945,-97.609) D26(145.945,-93.609) D27(145.945,-91.609) E3(143.182,-138.384) E5(143.182,-134.384) E7(143.182,-130.384) E9(143.182,-126.384) E11(143.182,-122.384) E13(143.182,-118.384) E15(143.182,-114.384) E17(143.182,-110.384) E19(143.182,-106.384) E21(143.182,-102.384) E23(143.182,-98.384) E25(143.182,-94.384) F2(141.452,-141.384) F4(141.452,-137.384) F6(141.452,-133.384) F8(141.452,-129.384) F10(141.452,-125.384) F12(141.452,-121.384) F14(141.452,-117.384) F16(141.452,-113.384) F18(141.452,-109.384) F20(141.452,-105.384) F22(141.452,-101.384) F24(141.452,-97.384) F26(141.452,-93.384) F27(141.452,-91.384)
  custom 0.305x0.305 hole 0.356 rot 135: A2(151.945,-141.609) A4(151.945,-137.609) A6(151.945,-133.609) A8(151.945,-129.609) A10(151.945,-125.609) A12(151.945,-121.609) A14(151.945,-117.609) A16(151.945,-113.609) A18(151.945,-109.609) A20(151.945,-105.609) A22(151.945,-101.609) A24(151.945,-97.609) A26(151.945,-93.609) B1(149.945,-143.609) B3(149.945,-139.609) B5(149.945,-135.609) B7(149.945,-131.609) B9(149.945,-127.609) B11(149.945,-123.609) B13(149.945,-119.609) B15(149.945,-115.609) B17(149.945,-111.609) B19(149.945,-107.609) B21(149.945,-103.609) B23(149.945,-99.609) B25(149.945,-95.609) B27(149.945,-91.609) C2(147.945,-141.609) C4(147.945,-137.609) C6(147.945,-133.609) C8(147.945,-129.609) C10(147.945,-125.609) C12(147.945,-121.609) C14(147.945,-117.609) C16(147.945,-113.609) C18(147.945,-109.609) C20(147.945,-105.609) C22(147.945,-101.609) C24(147.945,-97.609) C26(147.945,-93.609) D5(145.945,-135.609) D7(145.945,-131.609) D9(145.945,-127.609) D11(145.945,-123.609) D13(145.945,-119.609) D15(145.945,-115.609) D17(145.945,-111.609) D19(145.945,-107.609) D21(145.945,-103.609) D23(145.945,-99.609) D25(145.945,-95.609)
  custom 0.305x0.305 hole 0.356 rot 45: E1(143.182,-142.384) E2(143.182,-140.384) E4(143.182,-136.384) E6(143.182,-132.384) E8(143.182,-128.384) E10(143.182,-124.384) E12(143.182,-120.384) E14(143.182,-116.384) E16(143.182,-112.384) E18(143.182,-108.384) E20(143.182,-104.384) E22(143.182,-100.384) E24(143.182,-96.384) E26(143.182,-92.384) F1(141.452,-143.384) F3(141.452,-139.384) F5(141.452,-135.384) F7(141.452,-131.384) F9(141.452,-127.384) F11(141.452,-123.384) F13(141.452,-119.384) F15(141.452,-115.384) F17(141.452,-111.384) F19(141.452,-107.384) F21(141.452,-103.384) F23(141.452,-99.384) F25(141.452,-95.384)
PG_3680_LPC128_B_SLOT0
  custom 0.305x0.305 hole 0.356 rot 135: A1(-62.511,90.321) A3(-62.511,94.321) A5(-62.511,98.321) A7(-62.511,102.321) A9(-62.511,106.321) A11(-62.511,110.321) A13(-62.511,114.321) A15(-62.511,118.321) A17(-62.511,122.321) A19(-62.511,126.321) A21(-62.511,130.321) A23(-62.511,134.321) A25(-62.511,138.321) A27(-62.511,142.321) B2(-64.511,92.321) B4(-64.511,96.321) B6(-64.511,100.321) B8(-64.511,104.321) B10(-64.511,108.321) B12(-64.511,112.321) B14(-64.511,116.321) B16(-64.511,120.321) B18(-64.511,124.321) B20(-64.511,128.321) B22(-64.511,132.321) B24(-64.511,136.321) B26(-64.511,140.321) C1(-66.511,90.321) C3(-66.511,94.321) C5(-66.511,98.321) C7(-66.511,102.321) C9(-66.511,106.321) C11(-66.511,110.321) C13(-66.511,114.321) C15(-66.511,118.321) C17(-66.511,122.321) C19(-66.511,126.321) C21(-66.511,130.321) C23(-66.511,134.321) C25(-66.511,138.321) C27(-66.511,142.321) D2(-68.511,92.321) D4(-68.511,96.321) D6(-68.511,100.321) D8(-68.511,104.321) D10(-68.511,108.321) D12(-68.511,112.321) D14(-68.511,116.321) D16(-68.511,120.321) D18(-68.511,124.321) D20(-68.511,128.321) D22(-68.511,132.321) D24(-68.511,136.321) D26(-68.511,140.321)
  round 0.864 hole 0.356: A2(-62.511,92.321) A4(-62.511,96.321) A6(-62.511,100.321) A8(-62.511,104.321) A10(-62.511,108.321) A12(-62.511,112.321) A14(-62.511,116.321) A16(-62.511,120.321) A18(-62.511,124.321) A20(-62.511,128.321) A22(-62.511,132.321) A24(-62.511,136.321) A26(-62.511,140.321) B1(-64.511,90.321) B3(-64.511,94.321) B5(-64.511,98.321) B7(-64.511,102.321) B9(-64.511,106.321) B11(-64.511,110.321) B13(-64.511,114.321) B15(-64.511,118.321) B17(-64.511,122.321) B19(-64.511,126.321) B21(-64.511,130.321) B23(-64.511,134.321) B25(-64.511,138.321) B27(-64.511,142.321) C2(-66.511,92.321) C4(-66.511,96.321) C6(-66.511,100.321) C8(-66.511,104.321) C10(-66.511,108.321) C12(-66.511,112.321) C14(-66.511,116.321) C16(-66.511,120.321) C18(-66.511,124.321) C20(-66.511,128.321) C22(-66.511,132.321) C24(-66.511,136.321) C26(-66.511,140.321) D1(-68.511,90.321) D3(-68.511,94.321) D5(-68.511,98.321) D7(-68.511,102.321) D9(-68.511,106.321) D11(-68.511,110.321) D13(-68.511,114.321) D15(-68.511,118.321) D17(-68.511,122.321) D19(-68.511,126.321) D21(-68.511,130.321) D23(-68.511,134.321) D25(-68.511,138.321) D27(-68.511,142.321) E1(-71.274,91.546) E3(-71.274,95.546) E5(-71.274,99.546) E7(-71.274,103.546) E9(-71.274,107.546) E11(-71.274,111.546) E13(-71.274,115.546) E15(-71.274,119.546) E17(-71.274,123.546) E19(-71.274,127.546) E21(-71.274,131.546) E23(-71.274,135.546) E25(-71.274,139.546) F1(-73.004,90.546) F3(-73.004,94.546) F5(-73.004,98.546) F7(-73.004,102.546) F9(-73.004,106.546) F11(-73.004,110.546) F13(-73.004,114.546) F15(-73.004,118.546) F17(-73.004,122.546) F19(-73.004,126.546) F21(-73.004,130.546) F23(-73.004,134.546) F25(-73.004,138.546) F27(-73.004,142.546)
  custom 0.305x0.305 hole 0.356 rot 45: E2(-71.274,93.546) E4(-71.274,97.546) E6(-71.274,101.546) E8(-71.274,105.546) E10(-71.274,109.546) E12(-71.274,113.546) E14(-71.274,117.546) E16(-71.274,121.546) E18(-71.274,125.546) E20(-71.274,129.546) E22(-71.274,133.546) E24(-71.274,137.546) E26(-71.274,141.546) F2(-73.004,92.546) F4(-73.004,96.546) F6(-73.004,100.546) F8(-73.004,104.546) F10(-73.004,108.546) F12(-73.004,112.546) F14(-73.004,116.546) F16(-73.004,120.546) F18(-73.004,124.546) F20(-73.004,128.546) F22(-73.004,132.546) F24(-73.004,136.546) F26(-73.004,140.546)
PG_3680_LPC128_B_SLOT1
  custom 0.305x0.305 hole 0.356 rot 135: A1(76.886,90.321) A3(76.886,94.321) A5(76.886,98.321) A7(76.886,102.321) A9(76.886,106.321) A11(76.886,110.321) A13(76.886,114.321) A15(76.886,118.321) A17(76.886,122.321) A19(76.886,126.321) A21(76.886,130.321) A23(76.886,134.321) A25(76.886,138.321) A27(76.886,142.321) B2(74.886,92.321) B4(74.886,96.321) B6(74.886,100.321) B8(74.886,104.321) B10(74.886,108.321) B12(74.886,112.321) B14(74.886,116.321) B16(74.886,120.321) B18(74.886,124.321) B20(74.886,128.321) B22(74.886,132.321) B24(74.886,136.321) B26(74.886,140.321) C1(72.886,90.321) C3(72.886,94.321) C5(72.886,98.321) C7(72.886,102.321) C9(72.886,106.321) C11(72.886,110.321) C13(72.886,114.321) C15(72.886,118.321) C17(72.886,122.321) C19(72.886,126.321) C21(72.886,130.321) C23(72.886,134.321) C25(72.886,138.321) C27(72.886,142.321) D2(70.886,92.321) D4(70.886,96.321) D6(70.886,100.321) D8(70.886,104.321) D10(70.886,108.321) D12(70.886,112.321) D14(70.886,116.321) D16(70.886,120.321) D18(70.886,124.321) D20(70.886,128.321) D22(70.886,132.321) D24(70.886,136.321) D26(70.886,140.321)
  round 0.864 hole 0.356: A2(76.886,92.321) A4(76.886,96.321) A6(76.886,100.321) A8(76.886,104.321) A10(76.886,108.321) A12(76.886,112.321) A14(76.886,116.321) A16(76.886,120.321) A18(76.886,124.321) A20(76.886,128.321) A22(76.886,132.321) A24(76.886,136.321) A26(76.886,140.321) B1(74.886,90.321) B3(74.886,94.321) B5(74.886,98.321) B7(74.886,102.321) B9(74.886,106.321) B11(74.886,110.321) B13(74.886,114.321) B15(74.886,118.321) B17(74.886,122.321) B19(74.886,126.321) B21(74.886,130.321) B23(74.886,134.321) B25(74.886,138.321) B27(74.886,142.321) C2(72.886,92.321) C4(72.886,96.321) C6(72.886,100.321) C8(72.886,104.321) C10(72.886,108.321) C12(72.886,112.321) C14(72.886,116.321) C16(72.886,120.321) C18(72.886,124.321) C20(72.886,128.321) C22(72.886,132.321) C24(72.886,136.321) C26(72.886,140.321) D1(70.886,90.321) D3(70.886,94.321) D5(70.886,98.321) D7(70.886,102.321) D9(70.886,106.321) D11(70.886,110.321) D13(70.886,114.321) D15(70.886,118.321) D17(70.886,122.321) D19(70.886,126.321) D21(70.886,130.321) D23(70.886,134.321) D25(70.886,138.321) D27(70.886,142.321) E1(68.123,91.546) E3(68.123,95.546) E5(68.123,99.546) E7(68.123,103.546) E9(68.123,107.546) E11(68.123,111.546) E13(68.123,115.546) E15(68.123,119.546) E17(68.123,123.546) E19(68.123,127.546) E21(68.123,131.546) E23(68.123,135.546) E25(68.123,139.546) F1(66.393,90.546) F3(66.393,94.546) F5(66.393,98.546) F7(66.393,102.546) F9(66.393,106.546) F11(66.393,110.546) F13(66.393,114.546) F15(66.393,118.546) F17(66.393,122.546) F19(66.393,126.546) F21(66.393,130.546) F23(66.393,134.546) F25(66.393,138.546) F27(66.393,142.546)
  custom 0.305x0.305 hole 0.356 rot 45: E2(68.123,93.546) E4(68.123,97.546) E6(68.123,101.546) E8(68.123,105.546) E10(68.123,109.546) E12(68.123,113.546) E14(68.123,117.546) E16(68.123,121.546) E18(68.123,125.546) E20(68.123,129.546) E22(68.123,133.546) E24(68.123,137.546) E26(68.123,141.546) F2(66.393,92.546) F4(66.393,96.546) F6(66.393,100.546) F8(66.393,104.546) F10(66.393,108.546) F12(66.393,112.546) F14(66.393,116.546) F16(66.393,120.546) F18(66.393,124.546) F20(66.393,128.546) F22(66.393,132.546) F24(66.393,136.546) F26(66.393,140.546)
PG_3680_LPC128_B_SLOT2
  custom 0.305x0.305 hole 0.356 rot 135: A1(-87.53,90.321) A3(-87.53,94.321) A5(-87.53,98.321) A7(-87.53,102.321) A9(-87.53,106.321) A11(-87.53,110.321) A13(-87.53,114.321) A15(-87.53,118.321) A17(-87.53,122.321) A19(-87.53,126.321) A21(-87.53,130.321) A23(-87.53,134.321) A25(-87.53,138.321) A27(-87.53,142.321) B2(-89.53,92.321) B4(-89.53,96.321) B6(-89.53,100.321) B8(-89.53,104.321) B10(-89.53,108.321) B12(-89.53,112.321) B14(-89.53,116.321) B16(-89.53,120.321) B18(-89.53,124.321) B20(-89.53,128.321) B22(-89.53,132.321) B24(-89.53,136.321) B26(-89.53,140.321) C1(-91.53,90.321) C3(-91.53,94.321) C5(-91.53,98.321) C7(-91.53,102.321) C9(-91.53,106.321) C11(-91.53,110.321) C13(-91.53,114.321) C15(-91.53,118.321) C17(-91.53,122.321) C19(-91.53,126.321) C21(-91.53,130.321) C23(-91.53,134.321) C25(-91.53,138.321) C27(-91.53,142.321) D2(-93.53,92.321) D4(-93.53,96.321) D6(-93.53,100.321) D8(-93.53,104.321) D10(-93.53,108.321) D12(-93.53,112.321) D14(-93.53,116.321) D16(-93.53,120.321) D18(-93.53,124.321) D20(-93.53,128.321) D22(-93.53,132.321) D24(-93.53,136.321) D26(-93.53,140.321)
  round 0.864 hole 0.356: A2(-87.53,92.321) A4(-87.53,96.321) A6(-87.53,100.321) A8(-87.53,104.321) A10(-87.53,108.321) A12(-87.53,112.321) A14(-87.53,116.321) A16(-87.53,120.321) A18(-87.53,124.321) A20(-87.53,128.321) A22(-87.53,132.321) A24(-87.53,136.321) A26(-87.53,140.321) B1(-89.53,90.321) B3(-89.53,94.321) B5(-89.53,98.321) B7(-89.53,102.321) B9(-89.53,106.321) B11(-89.53,110.321) B13(-89.53,114.321) B15(-89.53,118.321) B17(-89.53,122.321) B19(-89.53,126.321) B21(-89.53,130.321) B23(-89.53,134.321) B25(-89.53,138.321) B27(-89.53,142.321) C2(-91.53,92.321) C4(-91.53,96.321) C6(-91.53,100.321) C8(-91.53,104.321) C10(-91.53,108.321) C12(-91.53,112.321) C14(-91.53,116.321) C16(-91.53,120.321) C18(-91.53,124.321) C20(-91.53,128.321) C22(-91.53,132.321) C24(-91.53,136.321) C26(-91.53,140.321) D1(-93.53,90.321) D3(-93.53,94.321) D5(-93.53,98.321) D7(-93.53,102.321) D9(-93.53,106.321) D11(-93.53,110.321) D13(-93.53,114.321) D15(-93.53,118.321) D17(-93.53,122.321) D19(-93.53,126.321) D21(-93.53,130.321) D23(-93.53,134.321) D25(-93.53,138.321) D27(-93.53,142.321) E1(-96.293,91.546) E3(-96.293,95.546) E5(-96.293,99.546) E7(-96.293,103.546) E9(-96.293,107.546) E11(-96.293,111.546) E13(-96.293,115.546) E15(-96.293,119.546) E17(-96.293,123.546) E19(-96.293,127.546) E21(-96.293,131.546) E23(-96.293,135.546) E25(-96.293,139.546) F1(-98.023,90.546) F3(-98.023,94.546) F5(-98.023,98.546) F7(-98.023,102.546) F9(-98.023,106.546) F11(-98.023,110.546) F13(-98.023,114.546) F15(-98.023,118.546) F17(-98.023,122.546) F19(-98.023,126.546) F21(-98.023,130.546) F23(-98.023,134.546) F25(-98.023,138.546) F27(-98.023,142.546)
  custom 0.305x0.305 hole 0.356 rot 45: E2(-96.293,93.546) E4(-96.293,97.546) E6(-96.293,101.546) E8(-96.293,105.546) E10(-96.293,109.546) E12(-96.293,113.546) E14(-96.293,117.546) E16(-96.293,121.546) E18(-96.293,125.546) E20(-96.293,129.546) E22(-96.293,133.546) E24(-96.293,137.546) E26(-96.293,141.546) F2(-98.023,92.546) F4(-98.023,96.546) F6(-98.023,100.546) F8(-98.023,104.546) F10(-98.023,108.546) F12(-98.023,112.546) F14(-98.023,116.546) F16(-98.023,120.546) F18(-98.023,124.546) F20(-98.023,128.546) F22(-98.023,132.546) F24(-98.023,136.546) F26(-98.023,140.546)
